# Allegro board RK_EXCAVATOR_MAIN_V12_20161114_FZBFINAL.brd (continued)
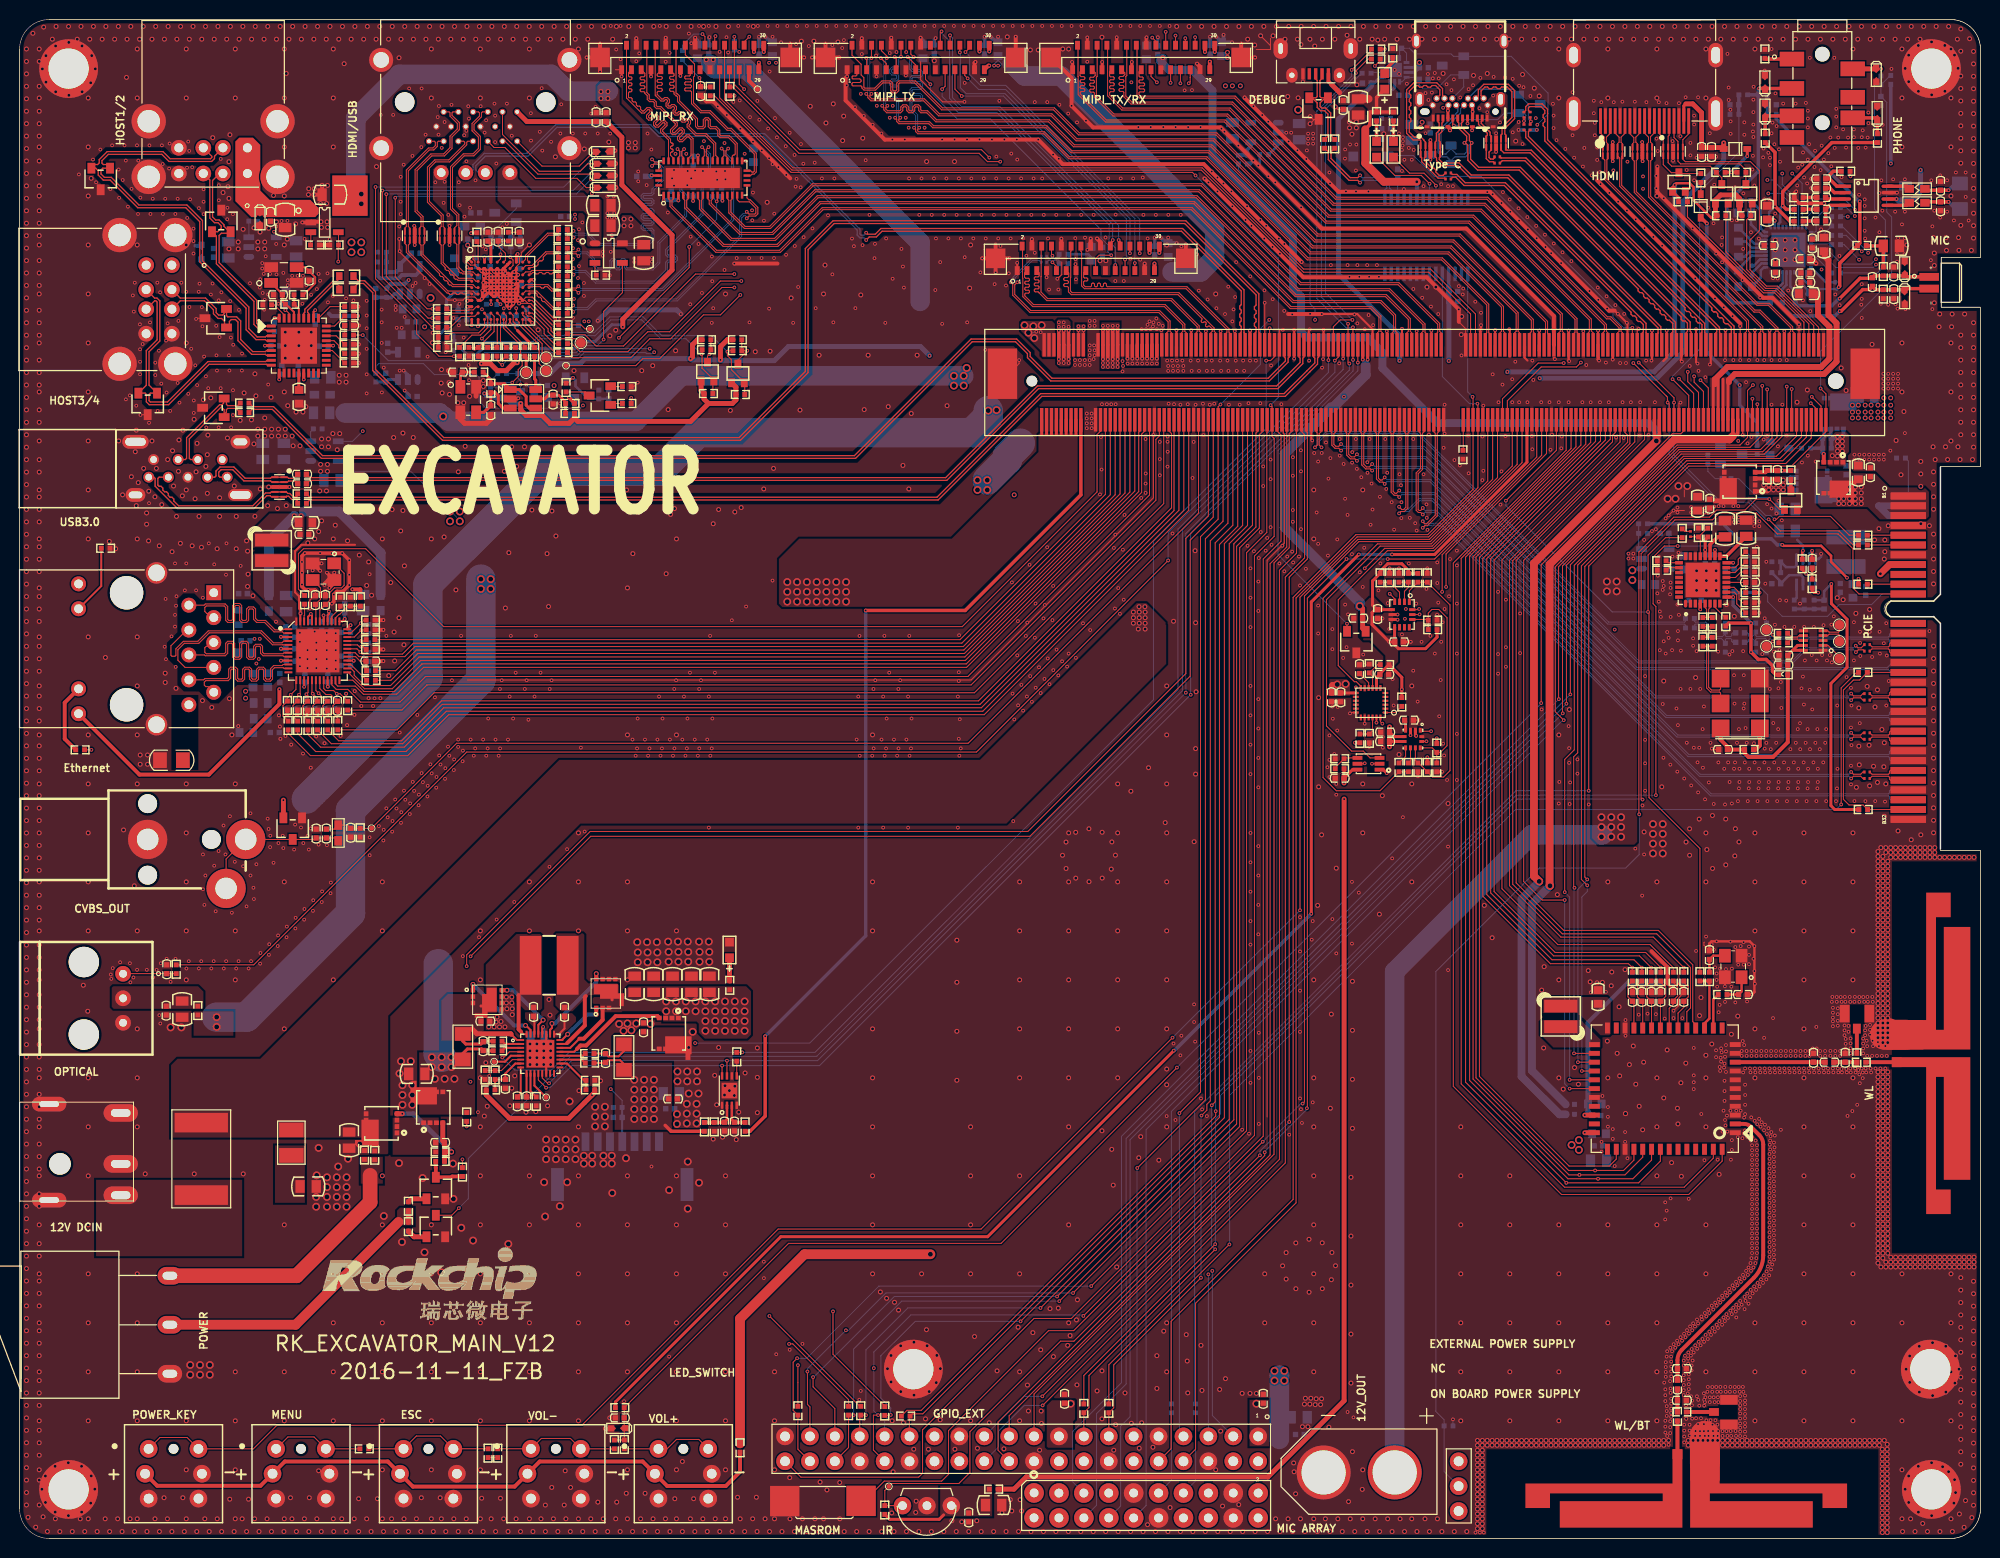
[diagram p0: board, top side]
## Placement (name value [footprint] x y rotation side) (continued)
H509  HOLE_4R10  [HOLE_C4R10_C6R00]  194.89 17.27 0 top
IR9001  IRM_3638  [IJ3_IRM_3638]  92.55 3.34 0 top
J508  DC-0007-5P  [DC3_DC_0007_5P]  0.01 38.22 0 top
J1400  USB20_micro  [USB20MICRO5_WKD_1]  132.2 152.05 270 top
J2601  HR911130C  [RJ45_HR911130C]  10.91 90.79 90 top
J4501  HDMI_A  [HDMIA19_HDMI_01A]  161.25 144.65 0 top
J4601  30PIN FPC CON  [CNN30_1R00_FP05SL_V]  68.9 151.14 0 top
J4701  30PIN FPC CON  [CNN30_1R00_FP05SL_V]  91.9 151.14 0 top
J4702  30PIN FPC CON  [CNN30_1R00_FP05SL_V]  114.9 151.14 0 top
J5001  30PIN FPC CON  [CNN30_1R00_FP05SL_V]  109.25 130.64 0 top
J7101  CON20_2X10_1R27  [CNN20_2X10_1R27_P]  114.9 3.36 0 top
J7102  DLT1150A  [OFJ5_DQT_003]  10.55 55.12 90 top
J7103  PJ-3536  [PJ7_PJ3536]  183.88 154.97 270 top
J7104  CON2  [R1206]  197.91 136.97 270 bottom
J8301  PCIE64_Splint  [PCIE12-64JBHF-XXX]  -368.69 378.16 270 top
J8302  CON2  [XI60_PIN2]  136.67 6.74 0 top
J8303  GND_GATE  [CN3_2R54_DIP]  146.78 5.33 90 top
J8501  HDMI_USB  [HDMI_USB_29]  41.75 142.58 180 top
J8901  USB_HOST  [UB1112C-8FDH-4F]  19.74 141.92 180 top
J8902  USB_HOST  [UB1112C-8FDH-4F]  12.91 126.44 270 top
J8903  -  [USB_TYPEC_115H0]  146.94 154.81 180 top
J9001  SJ109148  [AS0B821-S55B-7H]  144.65 117.97 0 top
J9002  GPIO_EXT  [CNN40_2R54_DIP]  102.22 9.05 180 top
J9003  PHONE  [RCA]  16.06 71.33 180 top
L501  2.2uH  [IND_606020]  54.01 58.49 0 top
L900  4.7uH  [IND_404030]  186.29 100.69 270 bottom
L2601  2.2uH  [IND_303015]  25.72 100.84 180 top
L6101  4.7uH  [IND_303012]  157.2 53.27 0 top
L8501  BLM18PG221SN1  [L0603]  46.19 133.89 180 bottom
L8901  BLM18PG181SN1  [L0603]  30.87 116.72 0 bottom
L9001  1.8uH  [L0603]  32.5 71.99 270 top
LED501  LED_GREEN  [LED0603]  72.41 60.05 90 top
LED1401  LED_GREEN  [LED0603]  140.14 141.76 270 top
LED1402  LED_BLUE  [LED0603]  138.41 141.76 270 top
LED1403  LED_RED  [LED0603]  139.24 148.69 90 top
MIC2500  MIC-4020  [MIC-SMT2-4020]  194.97 128.15 270 top
NOREF  -  []  40.3 24 0 top
Q237  WNM2021-3/TR  [SOT_323]  70.16 119.08 0 top
Q501  RQ3E120AT  [HSMT8_3R30X3R30X0R90]  36.92 42.36 180 top
Q502  RQ3E120AT  [HSMT8_3R30X3R30X0R90]  42.19 43.99 90 top
Q503  SiZ340DT  [DFN9L_3R00X3R00X0R80]  47.71 54.97 0 top
Q504  SiZ340DT  [DFN9L_3R00X3R00X0R80]  59.79 55.61 90 top
Q505  RQ3E120AT  [HSMT8_3R30X3R30X0R90]  66.22 51.53 270 top
Q506  S8050  [SOT_23]  42.45 35.76 0 top
Q507  S8050  [SOT_23]  42.45 31.88 0 top
Q4501  WNM2021-3/TR  [SOT_323]  173.62 137.23 0 top
Q4502  WNM2021-3/TR  [SOT_323]  169.25 138.42 0 top
Q4503  WNM2021-3/TR  [SOT_323]  176.08 137.23 0 top
Q8301  RQ3E120AT  [HSMT8_3R30X3R30X0R90]  185.05 114.8 90 bottom
Q8302  RQ3E120AT  [HSMT8_3R30X3R30X0R90]  185 108.25 270 top
Q8303  S8050  [SOT_23]  174.59 110.61 90 bottom
Q8304  WNM2021-3/TR  [SOT_323]  179.5 111.26 90 bottom
Q8305  RQ3E120AT  [HSMT8_3R30X3R30X0R90]  175.45 107.83 180 top
Q8306  RQ3E120AT  [HSMT8_3R30X3R30X0R90]  182.8 107.95 0 bottom
Q8307  WNM2021-3/TR  [SOT_323]  180.67 105.96 0 top
Q8501  2SC2712  [SOT_23]  49.56 135.29 270 bottom
Q8502  WNM2021-3/TR  [SOT_323]  73.27 118.89 0 top
Q8503  WNM2021-3/TR  [SOT_323]  50.15 117.04 90 bottom
Q8504  S8050  [SOT_23]  59.19 116.64 90 top
Q8505  WPM2341-3/TR  [SOT_23]  56.65 117.35 0 bottom
R501  0R  [R0402]  45.6 43.01 270 top
R502  0.01R  [R1206]  45.21 50.18 90 top
R503  2R  [R1210]  27.72 40.39 270 top
R504  10K  [R0402]  36.22 39.1 270 top
R505  10K  [R0402]  42.89 39.44 0 top
R506  0R  [R0402]  48.76 49.76 0 top
R507  0R  [R0402]  48.76 50.75 0 top
R508  2K  [R0402]  35.18 39.13 90 top
R509  1K  [R0402]  42.89 38.48 180 top
R510  10R  [R0402]  58.14 49.48 180 top
R511  5.1K  [R0402]  72.43 56.45 90 top
R512  47K  [R0402]  39.66 33.9 90 top
R513  0.01R  [R1206]  61.64 49.12 270 top
R514  10R  [R0402]  48.04 45.77 0 top
R515  10R  [R0402]  58.14 48.52 180 top
R516  348K  [R0402]  58.22 45.78 0 top
R517  390K  [R0402]  48.5 47.29 90 top
R518  249K  [R0402]  58.22 46.74 0 top
R519  47K  [R0402]  39.66 31.82 90 top
R520  220K  [R0402]  47.48 47.29 90 top
R521  33K  [R0402]  52.69 44.6 270 top
R522  10K  [R0402]  61.01 43.98 180 bottom
R904  10R  [R0402]  182.84 97.43 90 top
R905  100K  [R0402]  181.82 99.47 270 top
R906  91K  [R0402]  183.04 95.3 270 bottom
R907  91K  [R0402]  179.18 98.55 0 bottom
R908  15K  [R0402]  181.01 95.3 270 bottom
R909  10K  [R0402]  179.18 99.67 180 bottom
R910  30K  [R0402]  182.02 95.3 90 bottom
R1401  2K  [R0402]  140.14 145.12 90 top
R1402  2K  [R0402]  138.41 145.12 90 top
R1403  2K  [R0402]  140.06 151.59 90 top
R1404  22R  [R0402]  134.14 142.32 90 top
R1405  22R  [R0402]  133.12 142.32 90 top
R2233  200K  [R0402]  69.85 42 270 top
R2234  100R  [R0402]  74 42 270 top
R2237  200K  [R0402]  70.85 42 90 top
R2500  2.2K  [R0402]  190.1 129.29 90 top
R2501  100R  [R0402]  187.91 131.95 180 top
R2504  2.2K  [R0402]  190.1 126.98 270 top
R2601  33R  [R0402]  29.07 95.79 90 top
R2602  DNP  [R0402]  35.8 92.72 180 top
R2603  4.7K  [R0402]  36.07 92.33 0 bottom
R2604  4.7K  [R0402]  35.8 93.72 180 top
R2605  DNP  [R0402]  36.07 93.28 0 bottom
R2606  4.7K  [R0402]  27.32 85 90 top
R2607  DNP  [R0402]  27.07 85.11 270 bottom
R2608  4.7K  [R0402]  29.37 84.99 90 top
R2609  DNP  [R0402]  29.12 85.13 270 bottom
R2610  33R  [R0402]  32.45 82.97 270 top
R2611  4.7K  [R0402]  35.8 90.72 180 top
R2612  DNP  [R0402]  36.07 90.43 0 bottom
R2613  DNP  [R0402]  28.33 85 90 top
R2614  4.7K  [R0402]  28.09 85.11 270 bottom
R2615  DNP  [R0402]  30.38 84.99 90 top
R2616  4.7K  [R0402]  30.14 85.13 270 bottom
R2617  DNP  [R0402]  31.4 84.99 90 top
R2618  4.7K  [R0402]  31.15 85.13 270 bottom
R2619  0R  [R0402]  27.38 82.96 270 top
R2620  0R  [R0402]  28.36 82.96 270 top
R2621  0R  [R0402]  29.41 82.96 270 top
R2622  0R  [R0402]  30.39 82.96 270 top
R2623  0R  [R0402]  31.44 82.96 270 top
R2624  4.7K  [R0402]  36.07 91.38 180 bottom
R2625  4.7K  [R0402]  32.15 85.13 90 bottom
R2626  4.7K  [R0402]  36.07 89.48 180 bottom
R2627  0R  [R0402]  35.84 87.57 0 top
R2628  100K  [R0402]  36.07 88.53 180 bottom
R2629  0R  [R0402]  34.75 95.59 270 top
R2630  2.49K  [R0402]  32.7 95.59 90 top
R2631  DNP  [R0402]  33.75 95.59 90 top
R2632  0R  [R0402]  35.8 91.72 0 top
R2633  0R  [R0402]  35.84 88.55 0 top
R2634  0R  [R0402]  33.46 84.99 270 top
R2635  10R  [R0603]  22.35 93.99 90 bottom
R2636  510R  [R0402]  8.78 101.05 180 top
R2637  510R  [R0402]  6.17 80.48 180 top
R4501  4.7K  [R0402]  173.59 134.99 0 top
R4502  1.5K  [R0402]  173.52 139.41 180 top
R4503  10K  [R0402]  169.66 136.41 0 top
R4504  10K  [R0402]  171.49 138.83 90 top
R4505  4.7K  [R0402]  176.13 134.99 0 top
R4506  1.5K  [R0402]  175.64 139.41 0 top
R4601  22R  [R0402]  70.44 147.68 90 top
R4602  0R  [R0402]  72.45 147.68 270 top
R4603  0R  [R0402]  72.9 152.35 270 bottom
R4604  10K  [R0402]  70.65 137.38 90 bottom
R5001  100K  [R0402]  106.49 130.09 180 bottom
R5002  100K  [R0402]  106.49 131.05 0 bottom
R6101  DNP  [R0402]  187.4 49.05 90 top
R6102  0R  [R0402]  187.85 48.6 0 top
R6103  DNP  [R0402]  169.55 12.9 0 top
R6104  0R  [R0402]  169.1 12.45 270 top
R6105  10K  [R0402]  164.5 57.29 90 bottom
R6106  10K  [R0402]  165.46 57.29 90 bottom
R6107  10K  [R0402]  167.4 57.29 90 bottom
R6108  10K  [R0402]  166.43 57.29 90 bottom
R6109  10K  [R0402]  169.75 57.29 90 bottom
R6110  0R  [R0402]  171.39 57.33 270 top
R6111  0R  [R0402]  173.71 55.51 180 top
R6112  22R  [R0402]  172.36 57.33 270 top
R6113  33R  [R0402]  165.46 57.33 90 top
R6114  33R  [R0402]  164.5 57.33 90 top
R6115  33R  [R0402]  166.43 57.33 90 top
R6116  33R  [R0402]  167.4 57.33 90 top
R6117  33R  [R0402]  169.75 57.33 90 top
R6118  33R  [R0402]  168.68 57.33 90 top
R7103  1K  [R0402]  185.28 129.14 0 bottom
R7104  0R  [R0402]  117.48 13.27 270 bottom
R7105  0R  [R0402]  119.95 13.27 270 bottom
R7106  0R  [R0402]  176.11 136.55 180 bottom
R7107  33R  [R0402]  183.24 136.25 270 bottom
R7108  33R  [R0402]  185.28 135.84 180 bottom
R7109  33R  [R0402]  185.28 133.93 180 bottom
R7110  33R  [R0402]  185.28 134.88 180 bottom
R7111  33R  [R0402]  185.28 132.98 180 bottom
R7112  33R  [R0402]  185.28 132.03 180 bottom
R7114  33R  [R0402]  15.98 58.08 270 top
R7116  10R  [R0402]  18.18 53.87 90 top
R7117  22R  [R0402]  178.73 145.33 180 bottom
R7118  10K  [R0402]  174.91 145.33 0 bottom
R7119  2.2K  [R0402]  177.79 147.32 180 bottom
R7120  10K  [R0402]  175.81 147.32 0 bottom
R7121  1K  [R0402]  189.86 148.8 90 bottom
R7122  0R  [R0402]  178.05 142.9 90 top
R7123  10K  [R0402]  186.26 139.52 180 top
R7124  0R  [R0402]  189.5 142.9 90 top
R7125  30K  [R0402]  181.47 136.83 0 top
R7126  30K  [R0402]  181.47 134.43 0 top
R7127  0R  [R0402]  178.02 151.5 90 top
R7128  30K  [R0402]  181.47 135.63 0 top
R8001  DNP  [R0402]  140.7 78.69 270 top
R8002  0R  [R0402]  141.66 78.69 90 top
R8003  10K  [R0402]  136.71 81.65 270 top
R8004  DNP  [R0402]  139.23 89.18 180 top
R8005  NC  [R0402]  140.99 85.36 90 top
R8006  NC  [R0402]  137.67 81.65 90 top
R8007  0R  [R0402]  137.66 88.77 270 top
R8008  NC  [R0402]  143.59 78.69 90 top
R8009  10K  [R0402]  144.55 80.67 90 top
R8010  0R  [R0402]  142.62 78.69 90 top
R8011  NC  [R0402]  144.55 78.69 90 top
R8012  DNP  [R0402]  141.66 98.03 90 top
R8013  10K  [R0402]  140.7 98.03 90 top
R8014  DNP  [R0402]  138.77 98.03 90 top
R8015  10K  [R0402]  139.73 98.03 90 top
R8016  NC  [R0402]  142.62 98.03 90 top
R8017  10K  [R0402]  144.13 92.75 0 top
R8018  0R  [R0402]  143.58 98.03 270 top
R8019  NC  [R0402]  144.13 93.71 180 top
R8020  10K  [R0402]  134.64 78.55 0 top
R8021  0R  [R0402]  134.64 79.56 180 top
R8101  10K  [R0402]  61.22 13.34 180 top
R8102  10R  [R0402]  61.68 9.59 270 top
R8103  2K  [R0402]  60.67 9.59 270 top
R8104  3.3K  [R0402]  48.77 8.7 270 top
R8105  6.8K  [R0402]  47.78 8.7 90 top
R8106  15K  [R0402]  35.16 9.14 180 top
R8301  0R  [R0402]  179.89 92.37 180 top
R8302  0R  [R0402]  188.02 97.38 0 top
R8303  0R  [R0402]  179.89 91.4 180 top
R8304  150R  [R0402]  173.98 90.9 90 bottom
R8305  150R  [R0402]  173.98 92.96 270 bottom
R8306  470R  [R0402]  177.09 90.9 90 bottom
R8307  470R  [R0402]  177.09 92.96 270 bottom
R8308  DNP  [R0402]  170.37 92.92 0 bottom
R8309  DNP  [R0402]  170.37 93.88 0 bottom
R8310  DNP  [R0402]  171.69 93.53 270 top
R8311  DNP  [R0402]  172.66 93.53 270 top
R8312  56R  [R0402]  178.18 90.9 270 bottom
R8313  56R  [R0402]  178.18 92.96 90 bottom
R8314  100K  [R0402]  171.24 102.65 90 top
R8315  100K  [R0402]  172.2 102.65 270 top
R8316  0R  [R0402]  188.02 102.38 0 top
R8317  0R  [R0402]  188.02 101.38 0 top
R8318  0R  [R0402]  188.02 88.38 180 top
R8320  0R  [R0402]  167.49 99.77 0 top
R8321  0R  [R0402]  169.58 102.58 90 top
R8322  0R  [R0402]  167.49 98.8 0 top
R8323  DNP  [R0402]  176.51 98.63 180 top
R8324  0R  [R0402]  176.51 99.66 180 top
R8325  DNP  [R0402]  176.51 100.69 180 top
R8326  DNP  [R0402]  176.51 95.49 180 top
R8327  DNP  [R0402]  176.51 94.46 180 top
R8328  10K  [R0402]  174.03 93.56 90 top
R8329  10K  [R0402]  176.51 96.52 180 top
R8330  10K  [R0402]  184.35 111.26 180 bottom
R8331  10K  [R0402]  177.24 111.06 90 bottom
R8332  1K  [R0402]  182.21 111.26 180 bottom
R8333  4.7K  [R0402]  174.1 108.15 180 bottom
R8334  4.7K  [R0402]  172.2 110.1 270 bottom
R8335  47K  [R0402]  165.6 103.55 180 bottom
R8336  120K  [R0402]  165.6 102.56 0 bottom
R8337  10K  [R0402]  178.25 108.53 90 top
R8338  1K  [R0402]  180.68 108.53 270 top
R8502  22R  [R0402]  52.52 121.08 90 top
R8505  NC/4K7  [R0402]  44.3 121.7 270 bottom
R8506  560K  [R0402]  48.06 117.39 90 top
R8507  1K  [R0402]  48.67 126.39 90 bottom
R8508  100R  [R0402]  46.84 119.03 0 top
R8509  0R  [R0402]  55.42 128.83 0 top
R8510  0R  [R0402]  55.42 129.78 0 top
R8511  0R  [R0402]  55.42 125.03 0 top
R8512  4K7  [R0402]  43.11 123.59 180 bottom
R8513  22R  [R0402]  43.12 123.59 0 top
R8514  0R  [R0402]  55.42 125.98 0 top
R8515  0R  [R0402]  55.42 126.93 0 top
R8516  4K7  [R0402]  43.11 124.54 180 bottom
R8517  22R  [R0402]  43.12 124.54 0 top
R8518  0R  [R0402]  55.42 127.88 0 top
R8519  0R  [R0402]  55.42 130.73 0 top
R8520  27K  [R0402]  43.11 125.49 180 bottom
R8521  22R  [R0402]  43.12 125.49 0 top
R8522  0R  [R0402]  55.42 131.68 0 top
R8523  0R  [R0402]  55.42 132.63 0 top
R8524  1K  [R0402]  43.15 122.57 0 top
R8525  0R  [R0402]  55.42 133.58 0 top
R8526  100K  [R0402]  43.15 121.55 180 top
R8527  1K  [R0402]  44.88 121.1 90 top
R8528  22R  [R0402]  55.43 121.01 0 top
R8529  22R  [R0402]  55.43 122.94 0 top
R8530  22R  [R0402]  55.43 121.92 0 top
R8531  2K%1  [R0402]  46.64 132.8 270 top
R8532  0R  [R0402]  47.6 126.4 270 bottom
R8533  NC  [R0402]  46.78 121.1 270 top
R8534  22R  [R0402]  55.43 123.85 0 top
R8535  1.5K  [R0402]  49.07 132.3 270 bottom
R8536  NC/0R  [R0402]  51.53 121.1 270 top
R8537  4K7  [R0402]  45.83 121.1 90 top
R8538  2K2  [R0402]  49.85 132.85 270 top
R8539  1K  [R0402]  51.08 132.3 90 bottom
R8540  DNP  [R0402]  50.58 121.1 270 top
R8541  DNP  [R0402]  47.73 121.1 270 top
R8542  0R  [R0402]  48.68 121.1 90 top
R8543  0R  [R0402]  49.63 121.1 90 top
R8545  47K  [R0402]  61.93 115.82 180 top
R8546  10K  [R0402]  61.93 117.55 0 top
R8901  0R  [R0402]  28.44 126.92 180 top
R8902  12K%1  [R0402]  25.25 125.9 180 top
R8903  0R  [R0603]  33.33 128.82 0 top
R8904  0R  [R0603]  33.33 127.45 0 top
R8905  1M  [R0402]  27.56 125.95 0 top
R8906  10K  [R0402]  33.61 124.76 180 top
R8907  10K  [R0402]  33.61 122.81 180 top
R8908  100K  [R0402]  32.08 132 180 top
R8909  4.7K  [R0402]  30.13 132 0 top
R8910  100K  [R0402]  33.61 125.71 180 top
R8911  100K  [R0402]  33.61 121.86 180 top
R8912  100K  [R0402]  33.61 120.91 180 top
R8913  100K  [R0402]  33.61 119.96 180 top
R8915  4.7K  [R0402]  23.83 134.44 0 bottom
R8916  5.1R  [R0402]  22.95 114.9 180 top
R8917  5.1R  [R0402]  22.95 115.87 180 top
R8918  5.1R  [R0402]  28.81 105.63 180 top
R8919  5.1R  [R0402]  28.81 106.6 180 top
R8921  10K  [R0402]  59.26 128.92 0 top
R8923  4.7K  [R0402]  30.41 113.23 0 bottom
R8924  100K  [R0201]  153.44 145.29 270 top
R8925  100K  [R0201]  154.08 145.29 270 top
R8926  2M  [R0201]  153.44 144.02 270 bottom
R8927  2M  [R0201]  154.08 144.02 270 bottom
R8928  DNP  [R0402]  137.4 149.52 180 bottom
R8930  10K  [R0402]  139.38 144.92 0 bottom
R8933  15K  [R0402]  139.38 142.78 0 bottom
R8944  150K  [R0402]  36.94 129.24 0 bottom
R8946  10K  [R0402]  37.45 127.1 270 bottom
R8963  DNP  [R0402]  36.94 131.27 180 bottom
R9001  0R  [R0402]  85.8 13.03 90 top
R9005  0R  [R0402]  84.55 13.03 90 top
R9006  0R  [R0402]  79.39 13.03 90 top
R9007  0R  [R0402]  111.1 13.27 90 top
R9008  0R  [R0402]  108.55 13.27 90 top
R9009  0R  [R0402]  90.38 12.49 180 top
R9011  10R  [R0402]  99.36 5.03 180 top
R9012  75R  [R0402]  34.74 72.02 270 top
R9013  1.65M  [R0402]  147.22 110.59 270 top
R9014  10K  [R0402]  88.25 2.9 90 top
R9015  100R  [R0402]  73.48 9.25 270 top
R9016  10K  [R0402]  176.4 80.51 0 top
R9017  DNP  [R0402]  171.69 91.5 90 top
R9018  DNP  [R0402]  172.66 91.5 90 top
R9019  10K  [R0402]  188.05 74.38 180 top
R9020  0R  [R0402]  191.9 110.25 180 bottom
R9021  0R  [R0402]  158.15 44.3 0 bottom
R9022  DNP  [R0402]  158.15 43.28 0 bottom
R9023  0R  [R0402]  73.15 49.15 90 top
R9025  267K  [R0402]  36.94 130.25 180 bottom
R89527  10K  [R0402]  36.33 118.47 270 bottom
R89529  DNP  [R0402]  56.14 115.82 180 top
R89530  0R  [R0402]  56.14 114.81 180 top
R89531  0R  [R0402]  70.06 121.31 0 top
R89532  4.7K  [R0402]  70.06 122.33 0 top
R89533  4.7K  [R0402]  70.26 116.84 0 top
R89534  0R  [R0402]  73.21 121.21 0 top
R89535  4.7K  [R0402]  73.21 122.33 0 top
R89536  4.7K  [R0402]  73.52 116.74 0 top
R89537  0R  [R0402]  49.23 118.87 0 bottom
R89538  4.7K  [R0402]  51.26 118.87 180 bottom
R89539  4.7K  [R0402]  48.01 117.04 90 bottom
R89540  10K  [R0402]  145.75 11.48 180 bottom
R89541  100K  [R0402]  59.09 116.74 270 bottom
R89542  10K  [R0402]  55.74 117.45 270 top
R89543  0R  [R0402]  88.25 13 90 top
R89544  4.7K  [R0402]  126.96 141.22 180 bottom
R89545  10K  [R0402]  190.86 148.84 90 bottom
R89546  DNP  [R0402]  138.34 150.98 180 top
R89547  DNP  [R0402]  138.34 151.99 180 top
R89548  0R  [R0402]  67.62 151.38 90 bottom
R89549  0R  [R0402]  124.32 140.72 90 bottom
R89550  100K  [R0402]  125.23 140.72 270 bottom
R89551  DNP  [R0402]  45.17 37.39 90 top
S501  PSW3_B  [SW3-JT601-103AB2]  15.33 21.81 270 top
SW2  MASROM  [SMT2_6R00X3R50X4R20]  85.3 4.05 90 top
TP501  TP_0.5  [TP_0R50]  53.71 45.01 0 top
TP502  TP_0.5  [TP_0R50]  48.4 48.65 0 top
TP4601  TP_0.5  [TP_0R50]  75.27 147.89 90 top
TP7101  TP_0.5  [TP_0R50]  176.71 128.87 90 bottom
TP7102  TP_0.5  [TP_0R50]  176.71 129.89 90 bottom
TP7103  TP_0.5  [TP_0R50]  182.36 126.99 270 bottom
TP7104  TP_0.5  [TP_0R50]  185.2 128.2 90 bottom
TP8301  TP_1.0  [TP_1R00]  185.62 89.79 90 top
TP8302  TP_1.0  [TP_1R00]  178.18 91.03 90 top
TP8303  TP_1.0  [TP_1R00]  185.62 91.53 90 top
TP8304  TP_1.0  [TP_1R00]  178.18 92.73 90 top
TP8305  TP_1.0  [TP_1R00]  185.62 93.23 90 top
TP9002  TP_0.5  [TP_0R50]  35.9 72.47 270 top
TP50262  TP_0.5  [TP_0R50]  88.66 5.3 0 top
TP50263  TP_1.0  [TP_1R00]  51.67 118.97 0 top
TP50264  TP_0.5  [TP_0R50]  55.74 119.68 0 top
TP50265  TP_0.5  [TP_0R50]  58.17 123.44 0 top
TP50266  TP_1.0  [TP_1R00]  57.26 122.02 0 top
TP50267  TP_1.0  [TP_1R00]  53.7 120.5 0 top
TP50268  TP_1.0  [TP_1R00]  53.7 119.18 0 top
U501  BQ25700  [QFN32_4R00X4R00X1R00_T]  53.11 49.46 0 top
U900  MP1495S  [TSOT_23_8]  182.23 98.65 0 bottom
U1401  FT232RL  [SSOP28_10R20X5R30X2R00]  143.49 132.95 180 bottom
U1402  ESD5302F  [SOT_23]  132.5 145.92 180 top
U2601  RTL8211E-VB-CG  [QFN48_6R00X6R00X1R00_T]  30.42 90.59 270 top
U4501  TPD4E05U06  [SON10_2R50X1R00X0R50]  168.65 141.55 0 top
U4502  TPD4E05U06  [SON10_2R50X1R00X0R50]  162.49 141.53 0 top
U4503  TPD4E05U06  [SON10_2R50X1R00X0R50]  165.52 141.53 0 top
U4601  TS3DV520ERUAR  [QFN42_9R00X3R50X0R80_T]  69.69 138.83 0 top
U6101  AP6354  [MD44_AP6XXX_13RX15RX1R5]  167.81 45.9 90 top
U7101  ALC5651  [QFN40_5R00X5R00X1R00]  180.42 131.52 90 bottom
U7102  PT1505EMSH  [MSOP8_3R00X3R00X1R10]  188.36 137.02 0 top
U8001  LIS3MDL  [VFLGA12_2R00X2R00X1R00]  142.12 81.58 270 top
U8002  MPU6500  [QFN24_3R00X3R00X0R90]  137.8 85.28 180 top
U8003  LSM6DS3  [LGA14L_2R50X3R00X0R86]  141 94.28 270 top
U8004  HAL248TWCL  [SOT_23]  136.35 91.47 180 top
U8005  CM32181  [OPLGA6_2R35X1R80X1R00]  137.59 79.06 180 top
U8101  VOL+/RECOVERY  [SW6_10R00X10R00X8R80]  62.7 11.6 270 top
U8102  VOL-  [SW6_10R00X10R00X8R80]  49.7 11.6 270 top
U8104  ESC  [SW6_10R00X10R00X8R80]  36.7 11.6 270 top
U8105  MENU  [SW6_10R00X10R00X8R80]  23.7 11.6 270 top
U8301  Si50122  [TDFN10_2R00X2R50X0R85]  182.95 91.63 180 top
U8302  CDCM61001  [QFN32_5R00X5R00X1R00_T]  171.68 97.82 90 top
U8303  PT5108E23E-33  [SOT_23_5]  165.45 98.97 0 bottom
U8502  NL27WZU04  [TSOP6_3R00X3R10X1R10]  50.05 117.25 270 top
U8503  TC358749XBG  [BGA80_7R00X7R00X1R00]  49.04 127.32 0 top
U8504  TPD4E05U06  [SON10_2R50X1R00X0R50]  40.3 132.94 0 top
U8505  TPD4E05U06  [SON10_2R50X1R00X0R50]  43.85 132.94 0 top
U8901  SY6280AAC  [SOT_23_5]  29.7 135.3 0 top
U8902  ESD5302F  [SOT_23]  8.27 138.74 180 top
U8903  ESD5302F  [SOT_23]  20.57 134.45 0 top
U8904  USX2064  [QFN36L]  28.48 121.73 0 top
U8905  SY6280AAC  [SOT_23_5]  23.38 130.78 0 bottom
U8906  ESD5302F  [SOT_23]  13.07 115.78 180 top
U8907  ESD5302F  [SOT_23]  20 124.52 90 top
U8909  ESD5302F  [SOT_23]  19.77 115.38 90 top
U8911  TT2102B  [SOT_23_5]  40.8 127 90 bottom
U8912  SY6288CAA  [SOT_23_5]  58.69 132.17 0 top
U8913  SY6280AAC  [SOT_23_5]  29.69 109.97 0 bottom
U8914  FUSB302MPX  [MLP14_2R50X2R50X0R80]  140.26 149.87 90 bottom
U8916  D7SP100E00002E  [CRY6_7R00X5R00X1R80]  175.5 85.21 180 top
U8917  POWER_KEY  [SW6_10R00X10R00X8R80]  10.7 11.6 270 top
U23031  PT5108E23E-18  [SOT_23_5]  40.6 118.26 90 bottom
U23033  CW2015  [DFN8_2R00X3R00X0R90]  72.4 45.7 90 top
U90004  TPD4E05U06  [SON10_2R50X1R00X0R50]  26.5 107.3 270 top
U90005  TPD4E05U06  [SON10_2R50X1R00X0R50]  143.9 141.7 0 top
U90006  TPD4E05U06  [SON10_2R50X1R00X0R50]  150.6 142.4 0 top
U90007  ESD5302F  [SOT_23]  144.9 141.2 270 bottom
U90008  ESD5302F  [SOT_23]  146.2 150.3 270 bottom
U90009  ESD5302F  [SOT_23]  154 146.4 90 bottom
U90010  SY6280AAC  [SOT_23_5]  128.38 144.48 180 bottom
Y2601  25MHz  [CRY4_3R20X2R50X0R80]  30.99 98.66 180 top
Y6101  37.4MHz  [CRY4_3R20X2R50X0R80]  174.79 58.37 90 top
Y8501  27MHz-10ppm  [CRY-D3225]  45.76 116.22 270 top
Y8901  24M-20ppm  [CRY-D3225]  26.96 128.94 0 top

## Library data of the parts
ANT6101 ANT6103 = ANT_1P2G
ANT6102 ANT6104 = ANT_1P1G
BAT501 = BAT_0
C501-C523 C903-C906 C908 C1401-C1405 C2500 C2501 C2503 C2507 C2509 C2510 C2601-C2620 C2624-C2633 C4501 C4502 C4601-C4613 C4701-C4708 C5001-C5006 C6101-C6120 C7102 C7110-C7131 C8001 C8002 C8004-C8006 C8008-C8011 C8101 C8301-C8333 C8337 C8341 C8343 C8344 C8502-C8506 C8508 C8510 C8515 C8903 C8905 C8909 C8910 C8924-C8934 C8939-C8948 C9002-C9011 C50035 C50037 C50038 C50042 C50056 C50057 C50059 C50060 C50062 C50064-C50066 C90046 C90047 = CAP NP
C7101 C7103-C7106 C9001 = SMALL CAP
C8003 C8007 = CAP NP: room: CHG
C8507 C8509 C8511-C8513 C8516-C8522 C8525-C8528 C8901 C8906 C50040 C50063 = CAP NP_2
C8902 C8919 = CAP NP_6
C8907 C8913-C8918 = CAP NP_2: room: USB+5V
C8911 C8912 = CAP NP_4
C8922 C8923 = CAP: signal model: CAP_C0402_0.1UF_0.1uF
CON8901 = USBA_0
D4501 = DIODE
D4502 = DIODE: room: CHG
D8901 = DIODE ZENER1
D9001 = DIODE Double F
ED2500 ED2501 ED7101-ED7104 ED8101 ED8501-ED8504 ED8901 ED8902 = DIODE BI_DIR TRIG
F501 = FUSE
FB2601-FB2604 FB7101 FB7102 FB8301 FB8302 = BEAD
H501-H504 H508 H509 = HOLE
IR9001 = IR_FT_009
J508 = DCJACK_0
J1400 = USB20_MICRO
J2601 = HR911130C_0
J4501 = HDMI_A
J4601 = LCD_Hitachi_TX05D99VM1AAA_24
J4701 J4702 J5001 = LCD_Hitachi_TX05D99VM1AAA_25
J7101 = CON20_2X10
J7102 = OPTICAL_JACK_1
J7103 = PHONEJACK_2
J7104 J8302 = CON2_1
J8301 = PCIE_4X_CON_0
J8303 = CON2_0
J8501 = HDMI_0
J8901 J8902 = CON4_0
J8903 = USB31_TYPE_C
J9001 = SJ109148_3
J9002 = HEADER 28x2_1
J9003 = PHONE
L501 L900 L2601 L6101 = INDUCTORS OF FERRITE
L8501 L8901 L9001 = INDUCTOR
LED501 LED1401-LED1403 = LED
MIC2500 = MIC
Q237 Q4501-Q4503 Q8304 Q8307 Q8502 Q8503 = MOSFET N
Q501 Q502 Q505 Q8301 Q8302 Q8305 Q8306 = MOSFET N 8L1_0
Q503 Q504 = MOSFET D N 9L_1
Q506 Q507 Q8303 Q8501 Q8504 = NPN
Q8505 = MOSFET P
R501-R522 R904-R910 R1401-R1403 R2233 R2234 R2237 R2500 R2501 R2504 R2601-R2637 R4501-R4506 R4601-R4604 R5001 R5002 R6101-R6118 R7103-R7112 R7114 R7116-R7128 R8001 R8002 R8004 R8012-R8015 R8020 R8021 R8101-R8106 R8301-R8309 R8312-R8318 R8320-R8338 R8505 R8507 R8512 R8513 R8516 R8517 R8520 R8521 R8524 R8526-R8534 R8536 R8537 R8540-R8543 R8545 R8546 R8908 R8909 R8915 R8921 R8923-R8928 R8930 R8933 R8944 R8946 R8963 R9001 R9005-R9009 R9011-R9016 R9019-R9023 R9025 R89527 R89529-R89551 = RESISTOR
R1404 R1405 = RESISTOR: signal model: RESISTOR_R0402_22R_22R
R8003 R8005-R8011 R8016-R8019 R8535 R8538 R8539 R8901 R8902 R8905 R8910-R8913 = RESISTOR_0
R8310 R8311 R9017 R9018 = RESISTOR: signal model: RESISTOR_R0402_DNP_DNP
R8502 R8506 R8508 = R_0
R8509-R8511 R8514 R8515 R8518 R8519 R8522 R8523 R8525 = RESISTOR: signal model: RESISTOR_R0402_0R_0R
R8903 R8904 = RESISTOR_0: signal model: RESISTOR_0_R0603_0R_0R
R8906 R8907 = RESISTOR_4
R8916-R8919 = R: signal model: R_R0402_5.1R_5.1R
S501 = PSW3_B_0
SW2 = KEY_2PIN
TP501 TP502 TP4601 TP7101-TP7104 TP8301-TP8305 TP9002 TP50262-TP50268 = TP
U501 = Charger_BQ25700
U900 = DCDC_MP1495
U1401 = Interface_FT232RL
U1402 U8902 U8903 U8906 U8907 U8909 U90007-U90009 = ESD_ESDA6V8UL
U2601 = Ethernet_RTL8211
U4501-U4503 U8504 U8505 U90004-U90006 = ESD_TPD4E05U06
U4601 = SWITCH_TS3DV520ERUAR
U6101 = MODULE_AP6354
U7101 = ALC5651_3
U7102 = Amplifier_PT1505
U8001 = LIS3MDL_0
U8002 = Sensor_MPU6500
U8003 = LSM6DS3_2
U8004 = Sensor_HALL
U8005 = CM3217_1
U8101 U8102 U8104 U8105 U8917 = KEY_0
U8301 = Si50122
U8302 = CDCM61001
U8303 U23031 = DS8008_4
U8502 = LM1086_2
U8503 = RK1000_1
U8901 U8905 U8912 U8913 U90010 = SWITCH_SY6280
U8904 = USX2046_0
U8911 = LDO_TT2102
U8914 = USB_FUSB302
U8916 = D7SP100E00002E_0
U23033 = Gage-CW2013
Y2601 Y6101 = CRYSTAL_4P
Y8501 = CRYSTAL-4_0
Y8901 = CRYSTAL-4_1

## Footprints (pads in the part's own frame, mm; a bottom-side part is the same pattern mirrored in y, then rotated)
ANT2_40R00X9R00
  rect 1x1 smd: 1(6.5,0.5)
  rect 3.5x3 smd: 2(5.55,-2.3)
ANT_JACK
  rect 1x0.8 smd: 1(-0.72,1.31)
  rect 1.8x1 smd: 2(0.81,2.55) 3(0.81,0.03)
AS0B821-S55B-7H
  round 1.1 hole 1.1 unplated: (-41.403,0.143)
  round 1.6 hole 1.6 unplated: (40.597,0.143)
  rect 0.35x2.4 smd: 1(-40.403,-3.807) 2(-40.153,3.843) 3(-39.903,-3.807) 4(-39.653,3.843) 5(-39.403,-3.807) 6(-39.153,3.843) 7(-38.903,-3.807) 8(-38.653,3.843) 9(-38.403,-3.807) 10(-38.153,3.843) 11(-37.903,-3.807) 12(-37.653,3.843) 13(-37.403,-3.807) 14(-37.153,3.843) 15(-36.903,-3.807) 16(-36.653,3.843) 17(-36.403,-3.807) 18(-36.153,3.843) 19(-34.903,-3.807) 20(-34.653,3.843) 21(-34.403,-3.807) 22(-34.153,3.843) 23(-33.903,-3.807) 24(-33.653,3.843) 25(-33.403,-3.807) 26(-33.153,3.843) 27(-32.903,-3.807) 28(-32.653,3.843) 29(-32.403,-3.807) 30(-32.153,3.843) 31(-31.903,-3.807) 32(-31.653,3.843) 33(-31.403,-3.807) 34(-31.153,3.843) 35(-30.903,-3.807) 36(-30.653,3.843) 37(-30.403,-3.807) 38(-30.153,3.843) 39(-29.903,-3.807) 40(-29.653,3.843) 41(-29.403,-3.807) 42(-29.153,3.843) 43(-28.903,-3.807) 44(-28.653,3.843) 45(-28.403,-3.807) 46(-28.153,3.843) 47(-27.903,-3.807) 48(-27.653,3.843) 49(-27.403,-3.807) 50(-27.153,3.843) 51(-26.903,-3.807) 52(-26.653,3.843) 53(-26.403,-3.807) 54(-26.153,3.843) 55(-25.903,-3.807) 56(-25.653,3.843) 57(-25.403,-3.807) 58(-25.153,3.843) 59(-24.903,-3.807) 60(-24.653,3.843) 61(-24.403,-3.807) 62(-24.153,3.843) 63(-23.903,-3.807) 64(-23.653,3.843) 65(-23.403,-3.807) 66(-23.153,3.843) 67(-22.903,-3.807) 68(-22.653,3.843) 69(-22.403,-3.807) 70(-22.153,3.843) 71(-21.903,-3.807) 72(-21.653,3.843) 73(-21.403,-3.807) 74(-21.153,3.843) 75(-20.903,-3.807) 76(-20.653,3.843) 77(-20.403,-3.807) 78(-20.153,3.843) 79(-19.903,-3.807) 80(-19.653,3.843) 81(-19.403,-3.807) 82(-19.153,3.843) 83(-18.903,-3.807) 84(-18.653,3.843) 85(-18.403,-3.807) 86(-18.153,3.843) 87(-17.903,-3.807) 88(-17.653,3.843) 89(-17.403,-3.807) 90(-17.153,3.843) 91(-16.903,-3.807) 92(-16.653,3.843) 93(-16.403,-3.807) 94(-16.153,3.843) 95(-15.903,-3.807) 96(-15.653,3.843) 97(-15.403,-3.807) 98(-15.153,3.843) 99(-14.903,-3.807) 100(-14.653,3.843) 101(-14.403,-3.807) 102(-14.153,3.843) 103(-13.903,-3.807) 104(-13.653,3.843) 105(-13.403,-3.807) 106(-13.153,3.843) 107(-12.903,-3.807) 108(-12.653,3.843) 109(-12.403,-3.807) 110(-12.153,3.843) 111(-11.903,-3.807) 112(-11.653,3.843) 113(-11.403,-3.807) 114(-11.153,3.843) 115(-10.903,-3.807) 116(-10.653,3.843) 117(-10.403,-3.807) 118(-10.153,3.843) 119(-9.903,-3.807) 120(-9.653,3.843) 121(-9.403,-3.807) 122(-9.153,3.843) 123(-8.903,-3.807) 124(-8.653,3.843) 125(-8.403,-3.807) 126(-8.153,3.843) 127(-7.903,-3.807) 128(-7.653,3.843) 129(-7.403,-3.807) 130(-7.153,3.843) 131(-6.903,-3.807) 132(-6.653,3.843) 133(-6.403,-3.807) 134(-6.153,3.843) 135(-5.903,-3.807) 136(-5.653,3.843) 137(-5.403,-3.807) 138(-5.153,3.843) 139(-4.903,-3.807) 140(-4.653,3.843) 141(-4.403,-3.807) 142(-4.153,3.843) 143(-3.903,-3.807) 144(-3.653,3.843) 145(-3.403,-3.807) 146(-3.153,3.843) 147(-2.903,-3.807) 148(-2.653,3.843) 149(-2.403,-3.807) 150(-2.153,3.843) 151(-1.903,-3.807) 152(-1.653,3.843) 153(-1.403,-3.807) 154(-1.153,3.843) 155(-0.903,-3.807) 156(-0.653,3.843) 157(-0.403,-3.807) 158(-0.153,3.843) 159(0.097,-3.807) 160(0.347,3.843) 161(0.597,-3.807) 162(2.847,3.843) 163(2.597,-3.807) 164(3.347,3.843) 165(3.097,-3.807) 166(3.847,3.843) 167(3.597,-3.807) 168(4.347,3.843) 169(4.097,-3.807) 170(4.847,3.843) 171(4.597,-3.807) 172(5.347,3.843) 173(5.097,-3.807) 174(5.847,3.843) 175(5.597,-3.807) 176(6.347,3.843) 177(6.097,-3.807) 178(6.847,3.843) 179(6.597,-3.807) 180(7.347,3.843) 181(7.097,-3.807) 182(7.847,3.843) 183(7.597,-3.807) 184(8.347,3.843) 185(8.097,-3.807) 186(8.847,3.843) 187(8.597,-3.807) 188(9.347,3.843) 189(9.097,-3.807) 190(9.847,3.843) 191(9.597,-3.807) 192(10.347,3.843) 193(10.097,-3.807) 194(10.847,3.843) 195(10.597,-3.807) 196(11.347,3.843) 197(11.097,-3.807) 198(11.847,3.843) 199(11.597,-3.807) 200(12.347,3.843) 201(12.097,-3.807) 202(12.847,3.843) 203(12.597,-3.807) 204(13.347,3.843) 205(13.097,-3.807) 206(13.847,3.843) 207(13.597,-3.807) 208(14.347,3.843) 209(14.097,-3.807) 210(14.847,3.843) 211(14.597,-3.807) 212(15.347,3.843) 213(15.097,-3.807) 214(15.847,3.843) 215(15.597,-3.807) 216(16.347,3.843) 217(16.097,-3.807) 218(16.847,3.843) 219(16.597,-3.807) 220(17.347,3.843) 221(17.097,-3.807) 222(17.847,3.843) 223(17.597,-3.807) 224(18.347,3.843) 225(18.097,-3.807) 226(18.847,3.843) 227(18.597,-3.807) 228(19.347,3.843) 229(19.097,-3.807) 230(19.847,3.843) 231(19.597,-3.807) 232(20.347,3.843) 233(20.097,-3.807) 234(20.847,3.843) 235(20.597,-3.807) 236(21.347,3.843) 237(21.097,-3.807) 238(21.847,3.843) 239(21.597,-3.807) 240(22.347,3.843) 241(22.097,-3.807) 242(22.847,3.843) 243(22.597,-3.807) 244(23.347,3.843) 245(23.097,-3.807) 246(23.847,3.843) 247(23.597,-3.807) 248(24.347,3.843) 249(24.097,-3.807) 250(24.847,3.843) 251(24.597,-3.807) 252(25.347,3.843) 253(25.097,-3.807) 254(25.847,3.843) 255(25.597,-3.807) 256(26.347,3.843) 257(26.097,-3.807) 258(26.847,3.843) 259(26.597,-3.807) 260(27.347,3.843) 261(27.097,-3.807) 262(27.847,3.843) 263(27.597,-3.807) 264(28.347,3.843) 265(28.097,-3.807) 266(28.847,3.843) 267(28.597,-3.807) 268(29.347,3.843) 269(29.097,-3.807) 270(29.847,3.843) 271(29.597,-3.807) 272(30.347,3.843) 273(30.097,-3.807) 274(30.847,3.843) 275(30.597,-3.807) 276(31.347,3.843) 277(31.097,-3.807) 278(31.847,3.843) 279(31.597,-3.807) 280(32.347,3.843) 281(32.097,-3.807) 282(32.847,3.843) 283(32.597,-3.807) 284(33.347,3.843) 285(33.097,-3.807) 286(33.847,3.843) 287(33.597,-3.807) 288(34.347,3.843) 289(34.097,-3.807) 290(34.847,3.843) 291(34.597,-3.807) 292(35.347,3.843) 293(35.097,-3.807) 294(35.847,3.843) 295(35.597,-3.807) 296(36.347,3.843) 297(36.097,-3.807) 298(36.847,3.843) 299(36.597,-3.807) 300(37.347,3.843) 301(37.097,-3.807) 302(37.847,3.843) 303(37.597,-3.807) 304(38.347,3.843) 305(38.097,-3.807) 306(38.847,3.843) 307(38.597,-3.807) 308(39.347,3.843) 309(39.097,-3.807) 311(39.597,-3.807)
  rect 3x5.15 smd: 355(-44.403,0.893) 356(43.597,0.893)
BATT_7PINS
  rect 0.8x1.9 smd: 1(-3.75,0) 2(-2.5,0) 3(-1.25,0) 4(0,0) 5(1.25,0) 6(2.5,0) 7(3.75,0)
  rect 1.3x3.35 smd: 8(-6.6,-4.375) 9(6.6,-4.375)
BGA80_7R00X7R00X1R00
  round 0.3 smd: A1(-2.925,2.925) A2(-2.275,2.925) A3(-1.625,2.925) A4(-0.975,2.925) A5(-0.325,2.925) A6(0.325,2.925) A7(0.975,2.925) A8(1.625,2.925) A9(2.275,2.925) A10(2.925,2.925) B1(-2.925,2.275) B2(-2.275,2.275) B3(-1.625,2.275) B4(-0.975,2.275) B5(-0.325,2.275) B6(0.325,2.275) B7(0.975,2.275) B8(1.625,2.275) B9(2.275,2.275) B10(2.925,2.275) C1(-2.925,1.625) C2(-2.275,1.625) C9(2.275,1.625) C10(2.925,1.625) D1(-2.925,0.975) D2(-2.275,0.975) D4(-0.975,0.975) D5(-0.325,0.975) D6(0.325,0.975) D7(0.975,0.975) D9(2.275,0.975) D10(2.925,0.975) E1(-2.925,0.325) E2(-2.275,0.325) E4(-0.975,0.325) E5(-0.325,0.325) E6(0.325,0.325) E7(0.975,0.325) E9(2.275,0.325) E10(2.925,0.325) F1(-2.925,-0.325) F2(-2.275,-0.325) F4(-0.975,-0.325) F5(-0.325,-0.325) F6(0.325,-0.325) F7(0.975,-0.325) F9(2.275,-0.325) F10(2.925,-0.325) G1(-2.925,-0.975) G2(-2.275,-0.975) G4(-0.975,-0.975) G5(-0.325,-0.975) G6(0.325,-0.975) G7(0.975,-0.975) G9(2.275,-0.975) G10(2.925,-0.975) H1(-2.925,-1.625) H2(-2.275,-1.625) H9(2.275,-1.625) H10(2.925,-1.625) J1(-2.925,-2.275) J2(-2.275,-2.275) J3(-1.625,-2.275) J4(-0.975,-2.275) J5(-0.325,-2.275) J6(0.325,-2.275) J7(0.975,-2.275) J8(1.625,-2.275) J9(2.275,-2.275) J10(2.925,-2.275) K1(-2.925,-2.925) K2(-2.275,-2.925) K3(-1.625,-2.925) K4(-0.975,-2.925) K5(-0.325,-2.925) K6(0.325,-2.925) K7(0.975,-2.925) K8(1.625,-2.925) K9(2.275,-2.925) K10(2.925,-2.925)
